# KiCad board nvme Carrier for LattePanda Mu.kicad_pcb (continued)
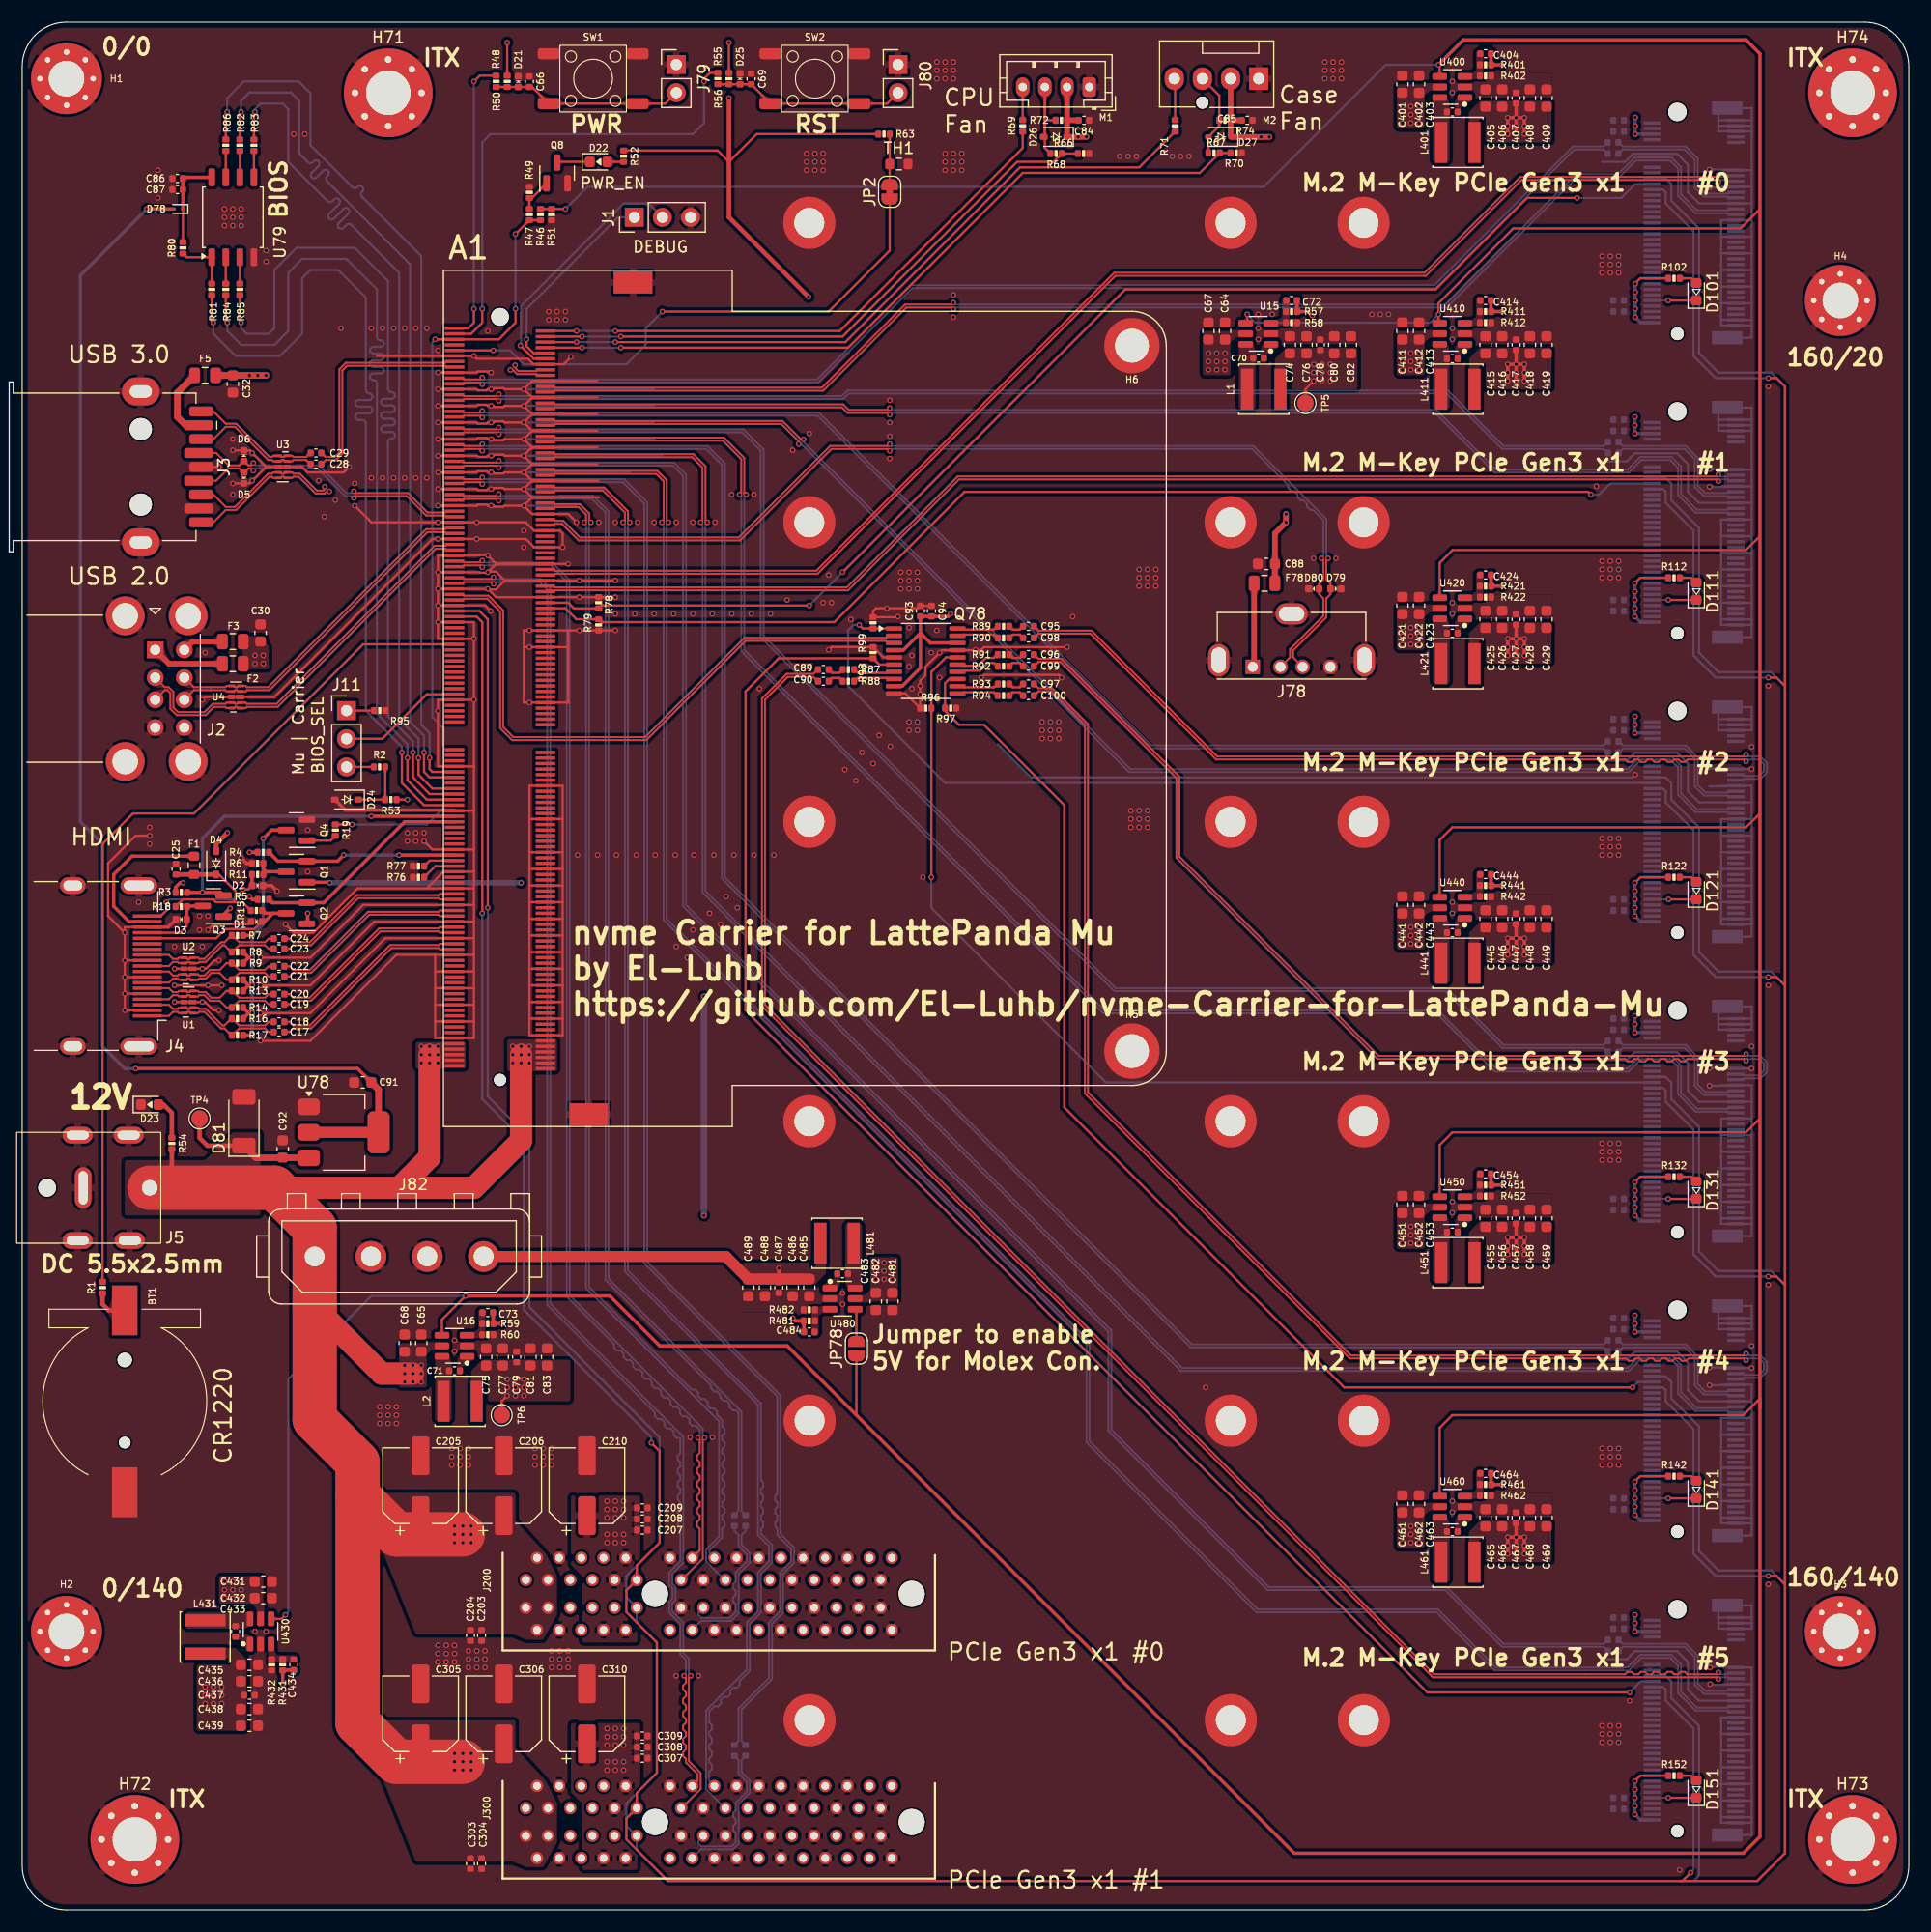
[diagram p0: board, top side]
## Routing (per net, layer and track width the routed paths; a pad name or vN(x,y) marks a point on that pad's centre or on a via; arc(x,y) is an arc through that point) (continued)
GND: length 1486.9
  Top w0.2: J4.17 9.25,88.6 v1(9.25,85.6) ; 46,133.35 A1.38 ; 46,133.35 45.25,134.1 46,134.85 ; 46,133.35 v1(45.25,132.6) ; 46,133.35 A1.38 ; A1.38 51.87,133.35 ; v1(37.5,117.6) A1.101 41.75,117.6 v1(42.25,117.1) ; v1(37.5,117.6) v1(37.5,116.1) ; v1(37.5,117.6) v1(37.5,119.1) ; 37.25,83.1 37.25,84.6 ; 37.25,83.1 37.25,81.6 ; 37.25,83.1 A1.231 40.75,83.1 ; 37.25,84.6 A1.225 40.75,84.6 ; 37.25,84.6 37.25,86.1 ; v1(45.24,131.1) 45.99,130.35 47.19,130.35 ; v1(45.24,131.1) 45.99,131.85 47.19,131.85 ; v1(45.24,131.1) 45.23,131.1 43.5,131.1 43.4,131.2 42.6,131.2 42.5,131.1 v1(42.3,131.1) 42,131.1 41.9,131 41.1,131 41,131.1 A1.47 v1(37.5,131.1) ; 40.75,84.6 40.75,86.1 ; 40.75,84.6 40.75,83.1 ; 40.75,86.1 A1.219 37.25,86.1 ; 40.75,86.1 40.75,87.6 ; 48.75,80.35 48.75,81.85 ; 48.75,80.35 A1.242 45.75,80.35 ; 48.75,80.35 48.75,78.85 A1.248 45.75,78.85 45.75,80.35 ; 48.75,81.85 48.75,83.35 ; 48.75,81.85 A1.236 45.75,81.85 ; A1.26 51.87,136.35 ; A1.26 46,136.35 ; A1.26 46,136.35 ; 45.75,87.85 A1.212 48.75,87.85 ; 45.75,87.85 45.75,86.35 ; 45.75,87.85 45.75,89.35 ; 48.75,90.85 A1.200 45.75,90.85 ; 48.75,90.85 48.75,92.35 ; 48.75,90.85 48.75,89.35 ; v1(45.25,129.6) 46,130.35 A1.50 51.87,130.35 ; v1(45.25,129.6) 46,128.85 ; v1(45.25,129.6) 43.5,129.6 43.4,129.5 42.6,129.5 42.5,129.6 42,129.6 41.9,129.7 41.1,129.7 41,129.6 A1.53 v1(37.5,129.6) ; D1.1 20.4,88.85 17.25,88.85 v1(16.75,88.35) ; v1(21.5,83.35) 26,83.35 31.75,89.1 A1.207 40.75,89.1 ; v1(9.25,82.6) v1(9.25,81.1) J4.2 ; v1(9.25,82.6) v1(9.25,84.1) ; v1(9.25,82.6) J4.5 ; 45.75,83.35 45.75,81.85 ; 45.75,83.35 45.75,84.85 ; 45.75,83.35 A1.230 48.75,83.35 ; 45.75,81.85 45.75,80.35 ; v1(37.5,119.1) A1.95 v1(42,119.1) ; v1(37.5,119.1) v1(37.5,120.6) ; v1(19,128.6) 19.01,128.62 D5.1 20.51,128.62 v1(20.75,128.85) 22,130.1 ; v1(37.5,137.1) A1.23 41,137.1 41.1,137 41.9,137 42,137.1 v1(42.3,137.1) 42.5,137.1 42.6,137.2 43.4,137.2 43.5,137.1 45.23,137.1 v1(45.24,137.1) ; 40.75,80.1 40.75,78.6 A1.249 37.25,78.6 37.25,80.1 ; 40.75,80.1 A1.243 37.25,80.1 ; 40.75,80.1 40.75,81.6 ; 40.75,93.6 40.75,92.1 ; 40.75,93.6 40.75,95.6 ; 40.75,93.6 A1.189 38,93.6 36.5,92.1 ; 40.75,92.1 A1.195 36.5,92.1 ; 40.75,92.1 40.75,90.6 ; 46,128.85 A1.56 ; 46,128.85 A1.56 ; 48.75,83.35 48.75,84.85 ; A1.32 51.87,134.85 ; A1.32 46,134.85 ; A1.32 46,134.85 ; v1(30,126.6) 31.5,125.1 A1.71 45.43,125.1 46.18,124.35 A1.74 48.5,124.35 48.75,124.1 v1(48.75,122.85) A1.80 46.18,122.85 45.43,123.6 A1.77 37,123.6 22.75,109.35 U4.3 U4.8 16.5,109.35 v1(16.25,109.1) ; v1(45.25,126.6) 46,127.35 A1.62 52,127.35 ; v1(45.25,126.6) 46,125.85 A1.68 49.25,125.85 v1(50,125.1) ; v1(45.25,126.6) 43.5,126.6 43.4,126.5 42.6,126.5 42.5,126.6 42,126.6 41.9,126.7 41.1,126.7 41,126.6 A1.65 v1(37.5,126.6) ; 45.75,93.85 A1.188 48.75,93.85 ; 45.75,93.85 45.75,95.35 ; 45.75,93.85 45.75,92.35 ; A1.14 48.85,139.35 v1(49.5,140) ; A1.14 46,139.35 ; A1.14 46.13,139.35 45.63,139.85 41,139.85 v1(40.75,140.1) A1.11 32,140.1 ; 45.75,95.35 45.75,98.35 ; 45.75,95.35 A1.182 48.75,95.35 ; 45.75,98.35 A1.170 48.75,98.35 ; 45.75,98.35 45.75,101.35 A1.158 48.75,101.35 48.75,98.35 ; 42.75,121.35 v1(42,120.6) ; 42.75,121.35 v1(42,122.1) 41.95,122.15 41.29,122.15 41.24,122.1 A1.83 37.5,122.1 v1(37.5,120.6) ; 42.75,121.35 A1.86 v1(49.25,121.35) ; v1(42,120.6) 41.95,120.55 41.29,120.55 41.24,120.6 A1.89 v1(37.5,120.6) ; v1(42,120.6) 42.05,120.65 42.73,120.65 43.54,119.85 ; v1(13.75,81.85) U1.8 U1.3 v1(16.25,81.85) 16.5,81.85 17.25,81.1 v1(17.75,81.1) ; 48.75,93.85 48.75,95.35 ; 48.75,93.85 48.75,92.35 ; 48.75,95.35 48.75,98.35 ; v1(11.5,96.85) 10.25,96.85 7.75,94.35 7.75,89.6 v1(9.25,88.1) ; 49.25,115.35 A1.110 45.25,115.35 45.25,113.85 ; 49.25,115.35 49.25,113.85 ; 49.25,115.35 v1(53.5,115.35) ; v1(45.25,132.6) 43.5,132.6 43.4,132.5 42.6,132.5 42.5,132.6 42,132.6 41.9,132.7 41.1,132.7 41,132.6 A1.41 v1(37.5,132.6) ; v1(45.25,132.6) 46,131.85 A1.44 51.87,131.85 ; 46,136.35 45.25,137.1 46,137.85 ; 46,136.35 v1(45.25,135.6) ; v1(42.3,138.6) 42.2,138.7 41.1,138.7 41,138.6 A1.17 v1(37.5,138.6) ; 40.75,103.1 40.75,99.1 ; 40.75,103.1 v1(40.75,109.1) ; 40.75,103.1 A1.151 37.5,103.1 37.5,109.1 A1.135 v1(40.75,109.1) ; 40.75,99.1 40.75,95.6 ; 40.75,99.1 A1.167 ; 48.75,92.35 A1.194 45.75,92.35 ; v1(9.25,84.1) v1(9.25,85.6) ; v1(9.25,84.1) J4.8 ; v1(79,116.6) 78.95,116.55 R99.2 76.75,117.1 77,117.35 v1(80,117.35) 80.79,117.35 C93.2 C94.2 ; 40.75,83.1 40.75,81.6 ; 46,134.85 v1(45.25,135.6) ; v1(94.25,113.85) 86.75,113.85 86.47,113.58 Q78.17 82.97,113.58 81.47,112.07 81.47,111.3 81,110.83 81,108.36 R97.2 79.66,109.68 Q78.10 ; 40.75,89.1 40.75,87.6 ; 40.75,89.1 40.75,90.6 ; 40.75,87.6 A1.213 32.75,87.6 26,80.85 v1(21.5,80.85) ; v1(23.75,88.85) 24.5,88.1 26.27,88.1 30.27,92.1 36.5,92.1 ; 37.25,80.1 37.25,81.6 ; v1(40.75,109.1) v1(40.75,114.6) ; v1(37.5,134.1) A1.35 41,134.1 41.1,134 41.9,134 42,134.1 v1(42.3,134.1) 42.5,134.1 42.6,134.2 43.4,134.2 43.5,134.1 45.23,134.1 v1(45.24,134.1) ; 48.75,86.35 48.75,87.85 ; 48.75,86.35 48.75,84.85 ; 48.75,86.35 A1.218 45.75,86.35 ; 48.75,87.85 48.75,89.35 ; 37.25,86.1 33.75,86.1 26,78.35 v1(21.5,78.35) ; v1(93.75,111.1) 93.5,111.35 86.75,111.35 v1(86.5,111.1) ; 40.75,81.6 A1.237 37.25,81.6 ; v1(45.24,128.1) 45.99,127.35 47.19,127.35 ; v1(45.24,128.1) 45.99,128.85 47.19,128.85 ; v1(45.24,128.1) 45.23,128.1 43.5,128.1 43.4,128.2 42.6,128.2 42.5,128.1 v1(42.3,128.1) 42,128.1 41.9,128 41.1,128 41,128.1 A1.59 v1(37.5,128.1) ; v1(37.5,135.6) A1.29 41,135.6 41.1,135.7 41.9,135.7 42,135.6 42.5,135.6 42.6,135.5 43.4,135.5 43.5,135.6 v1(45.25,135.6) ; 40.75,90.6 A1.201 30.75,90.6 26,85.85 v1(21.5,85.85) ; A1.20 51.87,137.85 ; A1.20 46,137.85 ; A1.20 46,137.85 ; 45.75,84.85 45.75,86.35 ; 45.75,84.85 A1.224 48.75,84.85 ; v1(42,119.1) 42.75,118.35 A1.98 v1(53.5,118.35) ; v1(42,119.1) 42.05,119.05 42.73,119.05 43.54,119.85 ; 22,130.1 v1(20.75,131.35) 20.51,131.59 D6.1 19.01,131.59 v1(19,131.6) ; 22,130.1 U3.3 U3.8 25.25,130.1 25.75,129.6 29,129.6 v1(29.5,130.1) ; 49.25,113.85 A1.116 45.25,113.85 ; 49.25,113.85 49.25,108.85 A1.136 45.25,108.85 45.25,113.85 ; v1(9.25,85.6) J4.11 ; 45.75,90.85 45.75,89.35 ; 45.75,90.85 45.75,92.35 ; 45.75,89.35 A1.206 48.75,89.35 ; v1(37.5,116.1) 37.5,114.6 A1.113 v1(40.75,114.6) ; v1(37.5,116.1) A1.107 40.75,116.1 v1(40.75,114.6) ; A1.56 52,128.85 ; Q78.5 77.69,112.93 R98.2 73.01,113.86 v1(72.75,113.6) ; v1(53.5,119.85) A1.92 43.54,119.85 ; 40.75,95.6 A1.181 37,95.6 v1(36.25,96.35) ; v1(13.75,83.35) v1(18,83.35) ; v1(17.75,85.6) 17.33,85.6 16.58,84.85 v1(16.25,84.85) U2.3 U2.8 v1(13.75,84.85) ; v1(17.75,130.1) J3.7
  Top w0.3: D2.1 22.5,92.35 v1(23,91.85) ; A1.167 38.95,99.15 29.15,99.15 D24.2 ; J4.17 13.16,88.6 D3.1 ; v1(19.75,94.85) 20.25,94.35 R6.2
  Bottom w0.2: J110.MP1 156,114.75 156,115.85 ; J100.51 156,155.35 ; J100.51 154.52,155.3 v1(152.2,155.3) ; J100.51 153.25,155.35 ; 156,155.35 156,156.85 ; 156,155.35 156,153.85 ; 45.25,134.1 43.5,134.1 43.4,134.2 42.6,134.2 42.5,134.1 v1(42.3,134.1) 42,134.1 41.9,134 41.1,134 41,134.1 v1(37.5,134.1) ; 156,44.35 J140.39 153.25,44.35 153.25,42.85 ; 156,44.35 156,42.85 ; 156,44.35 156,45.85 ; 156,116.35 156,115.85 ; 156,116.35 156,117.85 ; 156,116.35 J110.3 153.25,116.35 ; 156,115.85 J110.1 153.25,115.85 153.25,116.35 ; 153.25,89.35 153.25,90.85 ; 153.25,89.35 J120.3 156,89.35 ; 153.25,89.35 153.25,88.85 J120.1 156,88.85 ; 153.25,90.85 J120.9 156,90.85 ; 153.25,90.85 153.25,92.35 ; 156,42.85 156,41.35 ; 156,42.85 J140.33 153.25,42.85 ; 156,41.35 156,39.85 ; 156,41.35 J140.27 153.25,41.35 ; 156,107.35 J120.75 153,107.35 ; 156,107.35 156,106.85 ; 156,107.35 156,108.45 J120.MP2 153,108.45 153,107.35 ; v1(45.24,131.1) 57.75,131.1 ; 153,52.85 J140.73 156,52.85 ; 153,52.85 153,52.35 J140.71 156,52.35 156,52.85 ; 153,52.85 153,53.35 ; 153,134.35 153,135.45 J110.MP2 156,135.45 156,134.35 ; 153,134.35 J110.75 156,134.35 ; 153,134.35 153,133.85 ; 142.5,103.6 144.75,103.6 145.47,104.32 149.28,104.32 150.25,103.35 150.25,100.85 151.25,99.85 J120.45 156,99.85 ; 153.25,63.85 153.25,65.35 ; 153.25,63.85 153.25,62.35 ; 153.25,63.85 J130.9 156,63.85 ; 153.25,65.35 J130.15 156,65.35 ; 153.25,65.35 153.25,66.85 ; 156,88.85 156,89.35 ; 156,88.85 156,87.75 J120.MP1 ; 153.25,35.35 153.25,36.85 ; 153.25,35.35 J140.3 156,35.35 ; 153.25,35.35 153.25,34.85 J140.1 156,34.85 ; 153.25,36.85 153.25,38.35 ; 153.25,36.85 J140.9 156,36.85 ; 156,126.85 156,125.35 ; 156,126.85 156,128.35 ; 156,126.85 J110.45 151.25,126.85 150.25,127.85 150.25,130.35 149.28,131.32 145.47,131.32 144.75,130.6 142.5,130.6 ; 156,125.35 156,123.85 ; 156,125.35 J110.39 153.25,125.35 153.25,123.85 ; 156,80.35 J130.75 153,80.35 ; 156,80.35 156,79.85 ; 156,80.35 156,81.45 153,81.45 153,80.35 ; 153,161.35 153,162.45 J100.MP2 156,162.45 156,161.35 ; 153,161.35 J100.75 156,161.35 ; 153,161.35 153,160.85 ; 156,8.35 156,7.85 ; 156,8.35 156,9.85 ; 156,8.35 J150.3 153.25,8.35 ; 156,7.85 J150.1 153.25,7.85 153.25,8.35 ; 156,7.85 156,6.75 J150.MP1 ; 153.25,12.85 153.25,14.35 ; 153.25,12.85 153.25,11.35 ; 153.25,12.85 J150.21 156,12.85 ; 153.25,14.35 153.25,15.85 ; 153.25,14.35 J150.27 156,14.35 ; v1(152.2,75.9) 152.2,75.9 154.52,75.9 J130.57 ; 156,150.85 J100.33 153.25,150.85 ; 156,150.85 156,149.35 ; 156,150.85 156,152.35 ; 153.25,156.85 J100.57 ; J100.57 156,156.85 ; J100.57 154.52,156.9 152.2,156.9 v1(152.2,156.9) ; 153.25,38.35 153.25,39.85 ; 153.25,38.35 J140.15 156,38.35 ; 153.25,39.85 153.25,41.35 ; 153.25,39.85 J140.21 156,39.85 ; 45.25,128.1 43.5,128.1 43.4,128.2 42.6,128.2 42.5,128.1 v1(42.3,128.1) 42,128.1 41.9,128 41.1,128 41,128.1 v1(37.5,128.1) ; 156,143.35 156,142.85 ; 156,143.35 156,144.85 ; 156,143.35 J100.3 153.25,143.35 ; 156,142.85 156,141.75 J100.MP1 ; 156,142.85 J100.1 153.25,142.85 153.25,143.35 ; 153.25,69.85 153.25,71.35 J130.39 156,71.35 ; 153.25,69.85 153.25,68.35 ; 153.25,69.85 J130.33 156,69.85 ; 153.25,9.85 153.25,11.35 ; 153.25,9.85 J150.9 156,9.85 ; 153.25,9.85 153.25,8.35 ; 153.25,11.35 J150.15 156,11.35 ; 153,25.85 J150.73 156,25.85 ; 153,25.85 153,26.35 ; 153,25.85 153,25.35 J150.71 156,25.35 156,25.85 ; 156,123.85 J110.33 153.25,123.85 ; 156,123.85 156,122.35 ; v1(152.2,47.3) 154.52,47.3 J140.51 ; 156,93.85 156,92.35 ; 156,93.85 J120.21 153.25,93.85 ; 156,93.85 156,95.35 ; 156,92.35 J120.15 153.25,92.35 ; 156,92.35 156,90.85 ; 153.25,15.85 J150.33 156,15.85 ; 153.25,15.85 153.25,17.35 J150.39 156,17.35 ; 45.25,131.1 43.5,131.1 43.4,131.2 42.6,131.2 42.5,131.1 v1(42.3,131.1) 42,131.1 41.9,131 41.1,131 41,131.1 v1(37.5,131.1) ; 153.25,117.85 J110.9 156,117.85 ; 153.25,117.85 153.25,116.35 ; 153.25,117.85 153.25,119.35 ; v1(152.25,20.35) 152.3,20.3 153.75,20.3 153.8,20.35 J150.51 156,20.35 ; 156,120.85 J110.21 153.25,120.85 ; 156,120.85 156,119.35 ; 156,120.85 156,122.35 ; 153,53.35 153,54.45 156,54.45 156,53.35 ; 153,53.35 J140.75 156,53.35 ; 156,122.35 J110.27 153.25,122.35 ; 142.5,22.6 144.75,22.6 145.47,23.32 149.28,23.32 150.25,22.35 150.25,19.85 151.25,18.85 J150.45 156,18.85 ; 156,106.85 156,106.35 J120.71 153,106.35 153,106.85 ; 156,106.85 J120.73 153,106.85 ; J130.51 156,74.35 156,72.85 ; J130.51 154.52,74.3 v1(152.2,74.3) ; J130.51 153.25,74.35 ; 156,53.35 156,52.85 ; 153.25,144.85 J100.9 156,144.85 ; 153.25,144.85 153.25,146.35 ; 153.25,144.85 153.25,143.35 ; v1(152.2,129.9) 152.2,129.9 154.52,129.9 J110.57 ; 153.25,146.35 153.25,147.85 ; 153.25,146.35 J100.15 156,146.35 ; 153.25,147.85 153.25,149.35 ; 153.25,147.85 J100.21 156,147.85 ; 156,133.85 156,133.35 ; 156,133.85 156,134.35 ; 156,133.85 J110.73 153,133.85 ; 156,133.35 J110.71 153,133.35 153,133.85 ; 156,133.35 156,129.85 ; 156,34.85 156,33.75 J140.MP1 ; 156,34.85 156,35.35 ; 153.25,149.35 153.25,150.85 ; 153.25,149.35 J100.27 156,149.35 ; 45.5,134.1 57,134.1 ; 153.25,41.35 153.25,42.85 ; 156,15.85 156,14.35 ; 156,15.85 156,17.35 ; 156,14.35 156,12.85 ; 156,11.35 156,9.85 ; 156,11.35 156,12.85 ; 153.25,150.85 153.25,152.35 J100.39 156,152.35 ; 156,79.85 J130.73 153,79.85 ; 156,79.85 156,79.35 J130.71 153,79.35 153,79.85 ; 156,26.35 J150.75 153,26.35 ; 156,26.35 156,25.85 ; 156,26.35 156,27.45 153,27.45 153,26.35 ; 153.25,122.35 153.25,123.85 ; 153.25,122.35 153.25,120.85 ; 153.25,66.85 153.25,68.35 ; 153.25,66.85 J130.21 156,66.85 ; 153.25,68.35 J130.27 156,68.35 ; 156,99.85 156,98.35 ; 156,99.85 156,101.35 J120.51 ; 153.25,129.85 J110.57 ; J110.57 156,129.85 ; 156,90.85 156,89.35 ; 156,161.35 156,160.85 ; 156,160.85 156,160.35 ; 156,160.85 J100.73 153,160.85 ; 156,160.35 J100.71 153,160.35 153,160.85 ; 156,160.35 156,156.85 ; 153.25,119.35 153.25,120.85 ; 153.25,119.35 J110.15 156,119.35 ; 156,68.35 156,69.85 ; 156,68.35 156,66.85 ; 153.25,95.35 J120.27 156,95.35 ; 153.25,95.35 153.25,96.85 ; 153.25,95.35 153.25,93.85 ; J120.57 v1(156,102.85) ; J120.57 153.25,102.85 ; J120.57 154.52,102.9 152.2,102.9 152.2,102.9 ; 156,147.85 156,146.35 ; 156,147.85 156,149.35 ; 156,146.35 156,144.85 ; 156,63.85 156,62.35 ; 156,63.85 156,65.35 ; 156,62.35 J130.3 153.25,62.35 ; 156,62.35 156,61.85 ; 156,71.35 156,69.85 ; 156,71.35 156,72.85 ; 57,135.6 v1(45.25,135.6) 43.5,135.6 43.4,135.5 42.6,135.5 42.5,135.6 v1(42.3,135.6) 42,135.6 41.9,135.7 41.1,135.7 41,135.6 v1(37.5,135.6) ; 156,117.85 156,119.35 ; 153.25,92.35 153.25,93.85 ; 142.5,76.6 144.75,76.6 145.47,77.32 149.28,77.32 150.25,76.35 150.25,73.85 151.25,72.85 J130.45 156,72.85 ; 156,45.85 156,47.35 J140.51 ; 156,45.85 J140.45 151.25,45.85 150.25,46.85 150.25,49.35 149.28,50.32 145.47,50.32 144.75,49.6 142.5,49.6 ; 153,79.85 153,80.35 ; 156,66.85 156,65.35 ; 152.2,48.9 154.52,48.9 J140.57 ; 153,106.85 153,107.35 ; 54.8,129.6 v1(45.25,129.6) 43.5,129.6 43.4,129.5 42.6,129.5 42.5,129.6 v1(42.3,129.6) 42,129.6 41.9,129.7 41.1,129.7 41,129.6 v1(37.5,129.6) ; v1(152.2,128.3) 154.52,128.3 J110.51 ; 152.2,101.3 154.52,101.3 J120.51 ; 156,153.85 J100.45 151.25,153.85 150.25,154.85 150.25,157.35 149.28,158.32 145.3,158.32 144.58,157.6 142.5,157.6 ; 156,153.85 156,152.35 ; v1(152.25,21.85) 152.3,21.9 154.52,21.9 J150.57 156,21.85 156,20.35 ; 156,98.35 J120.39 153.25,98.35 153.25,96.85 ; 156,98.35 156,96.85 ; J140.51 153.25,47.35 ; 156,61.85 156,60.75 J130.MP1 ; 156,61.85 J130.1 153.25,61.85 153.25,62.35 ; 153.25,75.85 J130.57 ; J130.57 v1(156,75.85) ; J120.51 153.25,101.35 ; 156,39.85 156,38.35 ; v1(37.5,138.6) 41,138.6 41.1,138.7 41.9,138.7 42,138.6 v1(42.3,138.6) ; 156,35.35 156,36.85 ; 156,95.35 156,96.85 ; v1(145.5,102.35) 145.25,102.1 91,102.1 88,105.1 ; 57,137.1 43.5,137.1 43.4,137.2 42.6,137.2 42.5,137.1 v1(42.3,137.1) 42,137.1 41.9,137 41.1,137 41,137.1 v1(37.5,137.1) ; 156,20.35 156,18.85 ; 156,38.35 156,36.85 ; 156,129.85 156,128.35 ; 156,128.35 J110.51 ; 153.25,96.85 J120.33 156,96.85 ; 156,18.85 156,17.35 ; v1(37.5,126.6) 41,126.6 41.1,126.7 41.9,126.7 42,126.6 v1(42.3,126.6) 42.5,126.6 42.6,126.5 43.4,126.5 43.5,126.6 v1(45.25,126.6) 50,126.6 ; J110.51 153.25,128.35 ; v1(37.5,132.6) 41,132.6 41.1,132.7 41.9,132.7 42,132.6 v1(42.3,132.6) 42.5,132.6 42.6,132.5 43.4,132.5 43.5,132.6 v1(45.25,132.6) 57,132.6 ; 153.25,48.85 J140.57 ; J140.57 v1(156,48.85) ; v1(45.24,128.1) 52.5,128.1
  vias: v1(10.5,90.85) v1(11.5,97.6) v1(11.5,96.1) v1(12.25,156.85) v1(12.25,154.35) v1(13.75,86.85) v1(16,89.6) v1(16,88.35) v1(16.25,86.85) v1(16.5,113.35) v1(16.75,89.6) v1(16.75,83.35) v1(18.25,153.35) v1(18.25,152.6) v1(18.25,151.85) v1(19,153.35) v1(19,152.6) v1(19,151.85) v1(19,132.6) v1(19,127.6) v1(19.75,153.35) v1(19.75,152.6) v1(19.75,151.85) v1(21,25.1) v1(22,149.6) v1(22,148.6) v1(22,25.1) v1(24.5,160.1) v1(25.5,160.1) v1(25.75,97.35) v1(25.75,93.6) v1(26.75,128.85) v1(27.25,125.6) v1(28.25,127.1) v1(28.75,142.6) v1(30,128.6) v1(31.5,142.6) v1(31.5,129.1) v1(32.25,45.35) v1(32.25,44.6) v1(32.25,43.85) v1(32.5,142.6) v1(32.5,129.1) v1(33,45.35) v1(33,44.6) v1(33,43.85) v1(33.5,142.6) v1(33.5,129.1) v1(33.75,45.35) v1(33.75,44.6) v1(33.75,43.85) v1(34.5,142.6) v1(34.5,129.1) v1(34.75,97.1) v1(34.75,96.35) v1(35.5,142.6) v1(35.5,129.1) v1(35.5,97.1) v1(35.5,96.35) v1(36.25,97.1) v1(36.5,142.6) v1(36.5,129.1) v1(37.5,140.6) v1(37.5,125.1) v1(37.5,123.6) v1(37.5,108.1) v1(37.5,23.85) v1(37.5,23.1) v1(37.5,22.35) v1(38.25,23.85) v1(38.25,23.1) v1(38.25,22.35) v1(38.75,41.6) v1(38.75,40.85) v1(38.75,40.1) v1(39,51.35) v1(39,50.35) v1(39,23.85) v1(39,23.1) v1(39,22.35) v1(39.5,41.6) v1(39.5,40.85) v1(39.5,40.1) v1(40.25,41.6) v1(40.25,40.85) v1(40.25,40.1) v1(40.25,23.35) v1(40.25,22.6) v1(40.25,21.85) v1(41,125.1) v1(41,123.6) v1(41,23.35) v1(41,22.6) v1(41,21.85) v1(41.75,23.35) v1(41.75,22.6) v1(41.75,21.85) v1(42,142.35) v1(45.25,124.35) v1(45.25,122.85) v1(45.75,115.35) v1(45.75,113.85) v1(45.75,108.85) v1(46.25,41.6) v1(46.25,40.85) v1(46.25,40.1) v1(47,41.6) v1(47,40.85) v1(47,40.1) v1(47.5,144.1) v1(47.5,143.35) v1(47.75,41.6) v1(47.75,40.85) v1(47.75,40.1) v1(47.75,23.35) v1(47.75,22.6) v1(47.75,21.85) v1(48.25,144.1) v1(48.25,143.35) v1(48.5,23.35) v1(48.5,22.6) v1(48.5,21.85) v1(49,144.1) v1(49,143.35) v1(49.25,23.35) v1(49.25,22.6) v1(49.25,21.85) v1(50.1,95.1) v1(50.25,119.85) v1(50.25,118.35) v1(50.25,115.35) v1(51.9,95.1) v1(52,125.1) v1(53.5,125.1) v1(53.5,116.85) v1(53.6,95.1) v1(55.25,116.85) v1(55.4,95.1) v1(55.5,125.1) v1(57,125.1) v1(57,116.85) v1(57.1,95.1) v1(58.75,116.85) v1(58.9,95.1) v1(59,125.1) v1(59,86.85) v1(59,21.1) v1(60,85.85) v1(60.25,42.6) v1(60.5,125.1) v1(60.5,116.85) v1(60.5,88.35) v1(60.6,95.1) v1(61,21.1) v1(61.5,87.35) v1(62,89.85) v1(62.25,116.85) v1(62.25,42.6) v1(62.4,95.1) v1(62.5,125.1) v1(63,88.85) v1(63.5,91.35) v1(64,127.6) v1(64,116.85) v1(64.2,95.1) v1(64.5,90.35) v1(65.75,116.85) v1(66,127.6) v1(66,95.1) v1(66.5,110.1) v1(67.5,116.85) v1(67.8,95.1) v1(69,118.1) v1(69.5,131.6) v1(70.75,158.35) v1(70.75,157.6) v1(70.75,156.85) v1(70.75,112.1) v1(71,133.1) v1(71.5,158.35) v1(71.5,157.6) v1(71.5,156.85) v1(72.25,158.35) v1(72.25,157.6) v1(72.25,156.85) v1(72.25,117.85) v1(72.75,120.35) v1(73,117.85) v1(74,55.6) v1(74,54.6) v1(74.2,102.8) v1(74.75,116.35) v1(75.2,101.8) v1(75.75,104.35) v1(76,112.1) v1(76.75,103.35) v1(77.3,105.9) v1(78,117.35) v1(78.25,136.1) v1(78.25,134.1) v1(78.25,132.85) v1(78.25,130.85) v1(78.3,104.9) v1(79.25,120.6) v1(79.25,119.85) v1(79.25,119.1) v1(80,120.6) v1(80,119.85) v1(80,119.1) v1(80,115.6) v1(80,112.1) v1(80,107.1) v1(80,106.35) v1(80.25,113.1) v1(80.25,110.1) v1(80.75,120.6) v1(80.75,119.85) v1(80.75,119.1) v1(80.75,107.1) v1(80.75,106.35) v1(81,110.35) v1(81,109.6) v1(81.25,93.1) v1(82,113.35) v1(82.5,166.6) v1(82.5,165.85) v1(82.5,165.1) v1(82.5,115.35) v1(82.75,113.35) v1(82.75,111.1) v1(83.25,166.6) v1(83.25,165.85) v1(83.25,165.1) v1(83.25,158.35) v1(83.25,157.6) v1(83.25,156.85) v1(84,166.6) v1(84,165.85) v1(84,165.1) v1(84,158.35) v1(84,157.6) v1(84,156.85) v1(84,145.6) v1(84,143.6) v1(84.75,158.35) v1(84.75,157.6) v1(84.75,156.85) v1(86,113.6) v1(92,107.1) v1(92,106.35) v1(92,105.6) v1(92.75,107.1) v1(92.75,106.35) v1(92.75,105.6) v1(93.5,107.1) v1(93.5,106.35) v1(93.5,105.6) v1(94.75,116.6) v1(99,158.1) v1(99.75,158.1) v1(100,99.1) v1(100,98.35) v1(100,97.6) v1(100.5,158.1) v1(100.75,120.85) v1(100.75,120.1) v1(100.75,119.35) v1(100.75,99.1) v1(100.75,98.35) v1(100.75,97.6) v1(101.5,120.85) v1(101.5,120.1) v1(101.5,119.35) v1(101.5,99.1) v1(101.5,98.35) v1(101.5,97.6) v1(102.25,120.85) v1(102.25,120.1) v1(102.25,119.35) v1(103.75,158.1) v1(104.5,158.1) v1(105.25,158.1) v1(106.75,47.1) v1(111.5,143.85) v1(111.5,142.6) v1(111.5,141.6) v1(112.75,143.85) v1(116.5,121.85) v1(117.5,166.6) v1(117.5,165.85) v1(117.5,165.1) v1(118.25,166.6) v1(118.25,165.85) v1(118.25,165.1) v1(118.5,121.85) v1(119,166.6) v1(119,165.85) v1(119,165.1) v1(121.75,143.85) v1(122.5,143.85) v1(123.25,143.85) v1(129,164.85) v1(129,163.85) v1(129,142.6) v1(129,141.6) v1(129,117.85) v1(129,116.85) v1(129,90.85) v1(129,89.85) v1(129,63.85) v1(129,62.85) v1(129,36.85) v1(129,35.85) v1(140.25,155.1) v1(142,128.35) v1(142.5,149.1) v1(142.5,148.35) v1(142.5,147.6) v1(142.5,121.6) v1(142.5,120.85) v1(142.5,120.1) v1(142.5,96.6) v1(142.5,95.85) v1(142.5,95.1) v1(142.5,69.1) v1(142.5,68.35) v1(142.5,67.6) v1(142.5,41.6) v1(142.5,40.85) v1(142.5,40.1) v1(142.5,16.6) v1(142.5,15.85) v1(142.5,15.1) v1(143.25,149.1) v1(143.25,148.35) v1(143.25,147.6) v1(143.25,121.6) v1(143.25,120.85) v1(143.25,120.1) v1(143.25,96.6) v1(143.25,95.85) v1(143.25,95.1) v1(143.25,69.1) v1(143.25,68.35) v1(143.25,67.6) v1(143.25,41.6) v1(143.25,40.85) v1(143.25,40.1) v1(143.25,16.6) v1(143.25,15.85) v1(143.25,15.1) v1(144,149.1) v1(144,148.35) v1(144,147.6) v1(144,121.6) v1(144,120.85) v1(144,120.1) v1(144,96.6) v1(144,95.85) v1(144,95.1) v1(144,69.1) v1(144,68.35) v1(144,67.6) v1(144,41.6) v1(144,40.85) v1(144,40.1) v1(144,16.6) v1(144,15.85) v1(144,15.1) v1(145,18.85) v1(149.5,3.6) v1(152.2,48.9) v1(156,104.85) v1(156,77.85) v1(156,50.85) v1(157.5,137.35) v1(157.5,110.35) v1(157.5,83.35) v1(157.5,56.35) v1(157.5,29.35)
+BATT: length 78.7
  Top w0.2: A1.115 30.75,114.1 15.5,98.85 10,98.85 7.25,96.1 7.25,56.61
/BIOS/SPI-CS: length 80.9
  Top w0.2: v1(17.24,143.1) 17.09,143.25 R81.1 ; v1(34.25,104.35) 34.25,101.6 36.25,99.6 A1.165
  Bottom w0.2: v1(17.24,143.1) 17.24,142.11 19.25,140.1 23.25,140.1 25.25,142.1 25.25,147.1 26,147.85 28.5,147.85 31,145.35 31,137.03 arc(31.09,136.82) 31.3,136.73 arc(31.51,136.64) 31.6,136.43 arc(31.51,136.22) 31.3,136.13 30.35,136.13 arc(30.14,136.04) 30.05,135.83 arc(30.14,135.62) 30.35,135.53 31.3,135.53 arc(31.51,135.44) 31.6,135.23 arc(31.51,135.02) 31.3,134.93 30.35,134.93 arc(30.14,134.84) 30.05,134.63 arc(30.14,134.42) 30.35,134.33 30.7,134.33 arc(30.91,134.24) 31,134.03 31,108.1 34.25,104.85 v1(34.25,104.35)
/BIOS/SPI-IO0: length 80.9
  Top w0.2: R83.1 20.9,162.01 v1(20.99,162.1) ; v1(35.75,103.85) 35.75,102.35 37,101.1 A1.159
  Bottom w0.2: v1(20.99,162.1) 20.99,162.35 21.5,162.85 23.5,162.85 24,162.35 24,157.6 27.56,154.04 arc(27.77,153.96) 27.98,154.04 28.15,154.22 arc(28.36,154.31) 28.58,154.22 arc(28.66,154.01) 28.58,153.79 27.7,152.92 arc(27.61,152.71) 27.7,152.49 arc(27.91,152.41) 28.13,152.49 29,153.37 arc(29.21,153.46) 29.43,153.37 arc(29.51,153.16) 29.43,152.94 28.55,152.07 arc(28.46,151.86) 28.55,151.64 arc(28.76,151.56) 28.97,151.64 29.25,151.92 arc(29.46,152.01) 29.68,151.92 34,147.6 34,107.35 35.75,105.6 v1(35.75,103.85)
/BIOS/SPI-IO1: length 80.9
  Top w0.2: R84.1 18.37,143.23 v1(18.49,143.1) ; A1.163 36.5,100.1 34.75,101.85 v1(34.75,103.85)
  Bottom w0.2: v1(18.49,143.1) 18.5,143.1 18.5,142.35 19.75,141.1 22.75,141.1 24,142.35 24,147.6 25.25,148.85 29.25,148.85 32,146.1 32,141.82 arc(32.09,141.61) 32.3,141.52 32.33,141.52 arc(32.55,141.43) 32.63,141.22 arc(32.55,141.01) 32.33,140.92 31.67,140.92 arc(31.45,140.83) 31.37,140.62 arc(31.45,140.41) 31.67,140.32 32.33,140.32 arc(32.55,140.23) 32.63,140.02 arc(32.55,139.81) 32.33,139.72 31.67,139.72 arc(31.45,139.63) 31.37,139.42 arc(31.45,139.21) 31.67,139.12 32.33,139.12 arc(32.55,139.03) 32.63,138.82 arc(32.55,138.61) 32.33,138.52 31.67,138.52 arc(31.45,138.43) 31.37,138.22 arc(31.45,138.01) 31.67,137.92 31.7,137.92 arc(31.91,137.83) 32,137.62 32,107.85 34.75,105.1 v1(34.75,103.85)
/BIOS/SPI-IO2: length 80.9
  Top w0.2: v1(35.25,104.35) 35.25,102.1 36.75,100.6 A1.161 ; v1(19.74,143.1) 19.63,143.21 R85.1
  Bottom w0.2: v1(19.74,143.1) 19.74,142.61 20.25,142.1 22.25,142.1 22.75,142.6 22.75,147.85 24.75,149.85 30,149.85 33,146.85 33,137.14 arc(33.09,136.93) 33.3,136.84 33.33,136.84 arc(33.55,136.75) 33.63,136.54 arc(33.55,136.33) 33.33,136.24 32.67,136.24 arc(32.45,136.15) 32.37,135.94 arc(32.45,135.73) 32.67,135.64 33.33,135.64 arc(33.55,135.55) 33.63,135.34 arc(33.55,135.13) 33.33,135.04 32.67,135.04 arc(32.45,134.95) 32.37,134.74 arc(32.45,134.53) 32.67,134.44 33.33,134.44 arc(33.55,134.35) 33.63,134.14 arc(33.55,133.93) 33.33,133.84 32.67,133.84 arc(32.45,133.75) 32.37,133.54 arc(32.45,133.33) 32.67,133.24 33.33,133.24 arc(33.55,133.15) 33.63,132.94 arc(33.55,132.73) 33.33,132.64 33.3,132.64 arc(33.09,132.55) 33,132.34 33,107.6 35.25,105.35 v1(35.25,104.35)
/BIOS/SPI-IO3: length 80.9
  Top w0.2: v1(18.49,162.1) 18.37,161.97 R86.1 ; A1.153 37,102.6 36.75,102.85 v1(36.75,103.85)
  Bottom w0.2: v1(18.49,162.1) 18.49,163.34 20,164.85 24.94,164.85 26,163.79 26,159.1 29.79,155.31 arc(30,155.22) 30.22,155.31 30.26,155.35 arc(30.47,155.44) 30.68,155.35 arc(30.77,155.14) 30.68,154.92 30.64,154.88 arc(30.55,154.67) 30.64,154.46 36,149.1 36,106.85 36.75,106.1 v1(36.75,103.85)
/BIOS/SPI_CLK: length 80.9
  Top w0.2: R82.1 19.63,161.99 v1(19.74,162.1) ; v1(36.25,104.35) 36.25,102.6 36.75,102.1 A1.155
  Bottom w0.2: v1(19.74,162.1) 19.74,163.1 20.5,163.85 24.25,163.85 25,163.1 25,158.35 25.79,157.56 arc(26.01,157.47) 26.22,157.56 26.31,157.65 arc(26.52,157.74) 26.74,157.65 arc(26.82,157.44) 26.74,157.23 26.12,156.61 arc(26.04,156.4) 26.12,156.19 arc(26.34,156.1) 26.55,156.19 27.16,156.8 arc(27.37,156.89) 27.59,156.8 arc(27.67,156.59) 27.59,156.38 27.49,156.28 arc(27.4,156.07) 27.49,155.86 35,148.35 35,107.1 36.25,105.85 v1(36.25,104.35)
